# Altium PCB Standby_PS.PcbDoc (part 1 of 2)
Units mm, origin at the board's own origin, x right, y up, seen from the top; angles counter-clockwise.
Board outline 150 x 60 mm, 2 copper layers (Top Layer, Bottom Layer), stack 1.071 mm thick; 184 components, 77 nets, 415 pads, 33 vias.
Unrouted connection lines stored in the file: 216.
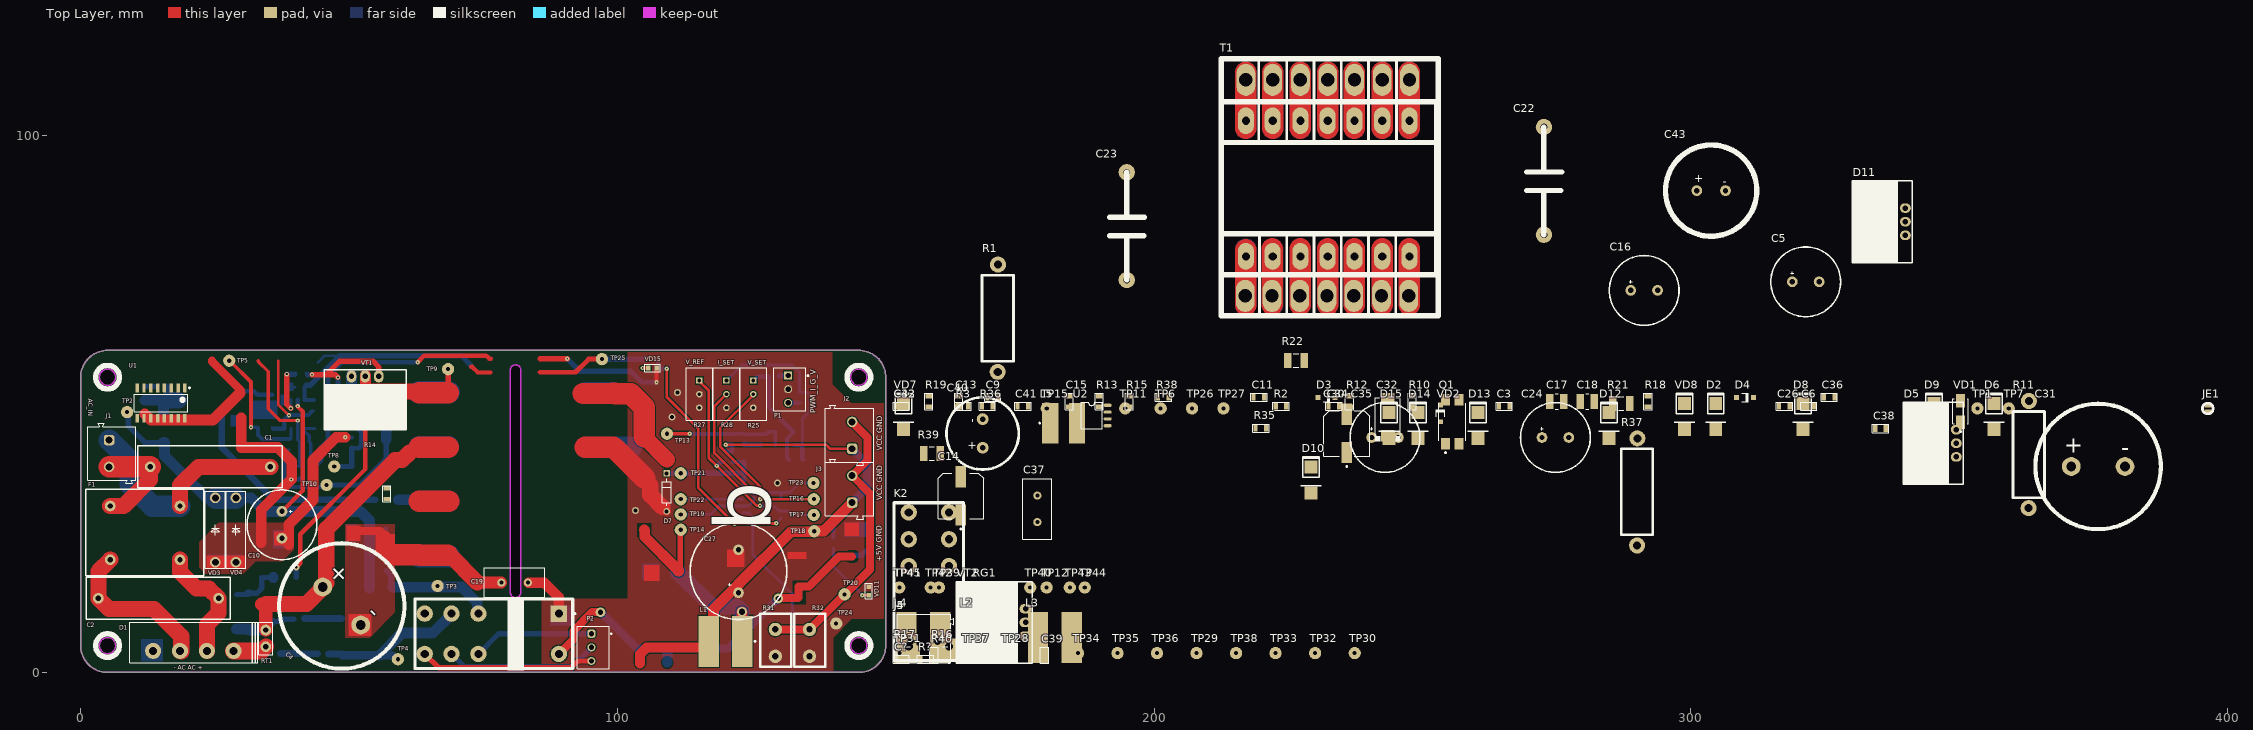
[diagram p0: Top Layer view]
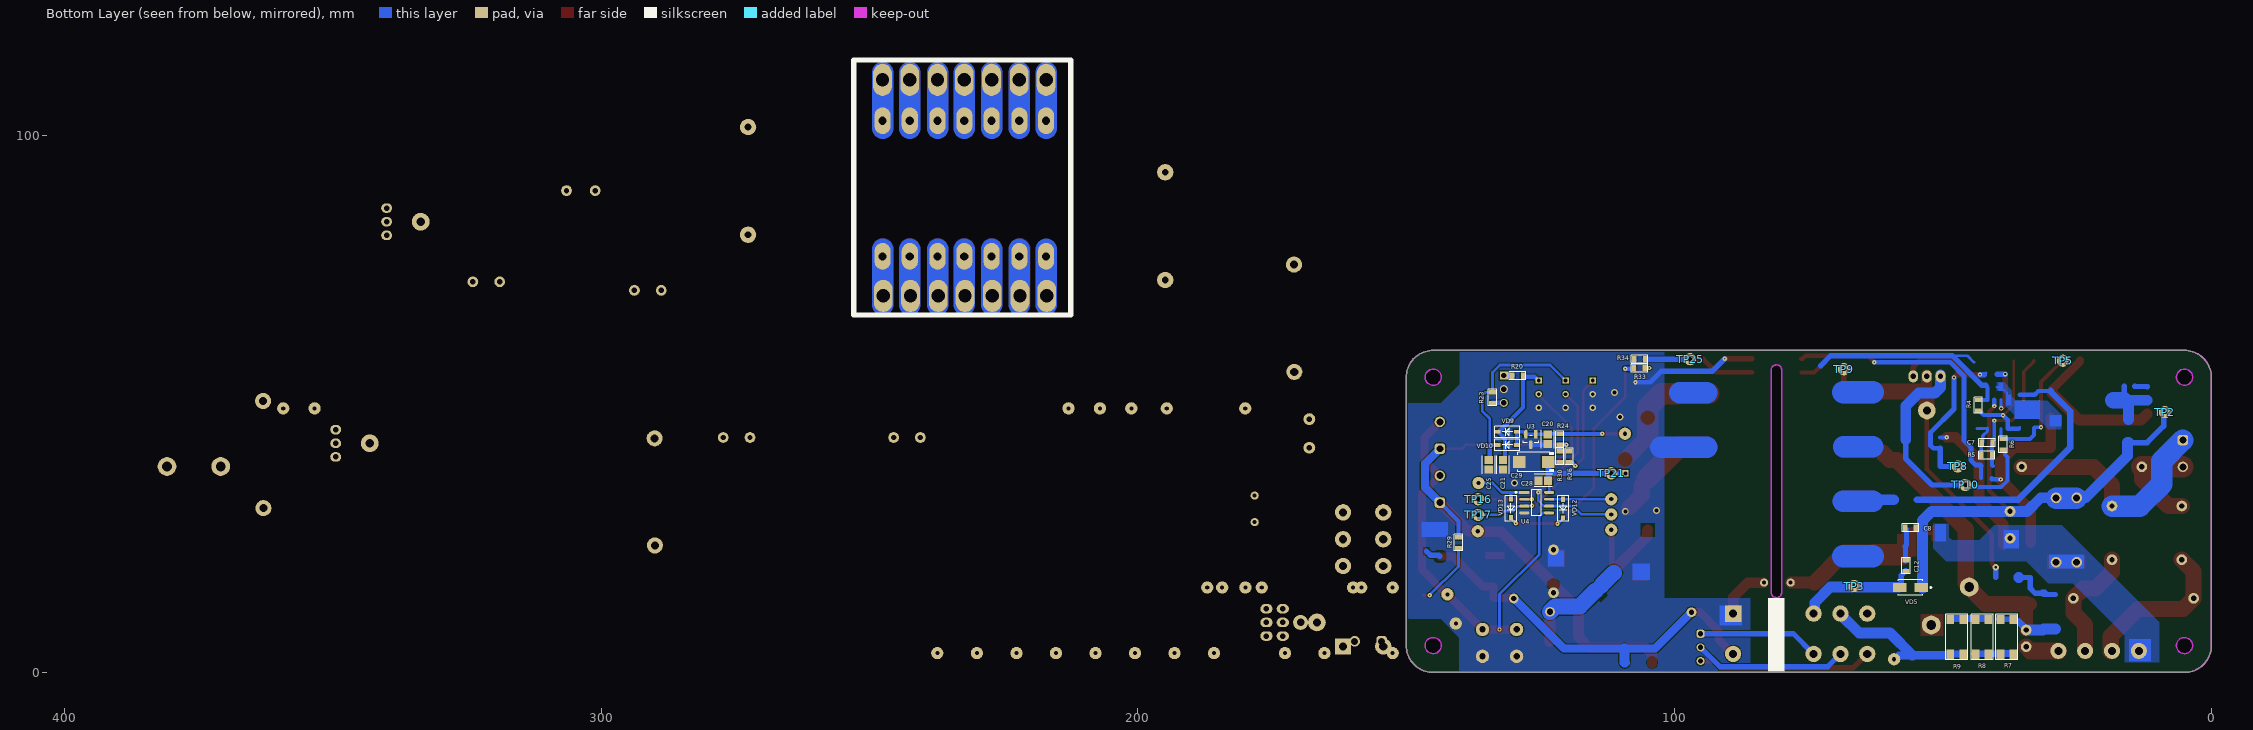
[diagram p1: Bottom Layer view, seen from below]

## Layer stack, top to bottom
Top Solder: solder mask 0.0102, Solder Resist, Dk 3.5
Top Layer: signal copper 0.0356
Dielectric 1: dielectric 1, FR-4, Dk 4.8
Bottom Layer: signal copper 0.0356
Bottom Solder: solder mask 0.0102, Solder Resist, Dk 3.5

## Board outline
0,5 ccw(c5,5) 5,0 145,0 ccw(c145,5) 150,5 150,55 ccw(c145,55) 145,60 5,60 ccw(c5,55) 0,55
cut-out: 143.5,55 ccw(c145,55) 145,53.5 ccw(c145,55) 146.5,55 ccw(c145,55) 145,56.5 ccw(c145,55)
cut-out: 143.5,5 ccw(c145,5) 145,3.5 ccw(c145,5) 146.5,5 ccw(c145,5) 145,6.5 ccw(c145,5)
cut-out: 80.045,14.95 ccw(c81.045,14.95) 82.045,14.95 82.045,17.95 82.045,56.3 ccw(c81.045,56.3) 80.045,56.3 80.045,17.95 80.045,18.036
cut-out: 3.5,55 ccw(c5,55) 5,53.5 ccw(c5,55) 6.5,55 ccw(c5,55) 5,56.5 ccw(c5,55)
cut-out: 3.5,5 ccw(c5,5) 5,3.5 ccw(c5,5) 6.5,5 ccw(c5,5) 5,6.5 ccw(c5,5)

## Design rules (kind name [scope] priority, off if disabled: settings)
Clearance Clearance_1 [All vs InNet('GND_1')] p1: gap=0.2 ignorepadtopadclearanceinfootprint=FALSE
Clearance [All vs InNet('GND')] p2: gap=0.4 ignorepadtopadclearanceinfootprint=FALSE except(0.2: Arc-Hole SMDPad-SMDPad SMDPad-THPad SMDPad-Via SMDPad-Fill SMDPad-Poly SMDPad-Region SMDPad-Text SMDPad-Hole THPad-THPad THPad-Via THPad-Fill THPad-Poly THPad-Region THPad-Text THPad-Hole Text-Text Text-Hole)
ComponentClearance [All] p1: gap=-3 collisioncheckmode=3 verticalgap=0.254 showdistances=FALSE
DiffPairsRouting [All] p1: maxlimit=0.254 minlimit=0.254 mostfreqgap=0.254 substack1={A23D90DD-733B-49C5-8102-56B3D284E3A0} toplayer_{a23d90dd-733b-49c5-8102-56b3d284e3a0}_minwidth=0.381 toplayer_{a23d90dd-733b-49c5-8102-56b3d284e3a0}_maxwidth=0.381 toplayer_{a23d90dd-733b-49c5-8102-56b3d284e3a0}_prefwidth=0.381 bottomlayer_{a23d90dd-733b-49c5-8102-56b3d284e3a0}_minwidth=0.381 bottomlayer_{a23d90dd-733b-49c5-8102-56b3d284e3a0}_maxwidth=0.381 bottomlayer_{a23d90dd-733b-49c5-8102-56b3d284e3a0}_prefwidth=0.381 toplayer_minwidth=0.381 toplayer_maxwidth=0.381 toplayer_prefwidth=0.381 bottomlayer_minwidth=0.381 bottomlayer_maxwidth=0.381 bottomlayer_prefwidth=0.381 substack2={0B3DB408-A969-412D-8C07-BA8AE97219D9} toplayer_{0b3db408-a969-412d-8c07-ba8ae97219d9}_minwidth=0.381 toplayer_{0b3db408-a969-412d-8c07-ba8ae97219d9}_maxwidth=0.381 toplayer_{0b3db408-a969-412d-8c07-ba8ae97219d9}_prefwidth=0.381 bottomlayer_{0b3db408-a969-412d-8c07-ba8ae97219d9}_minwidth=0.381 bottomlayer_{0b3db408-a969-412d-8c07-ba8ae97219d9}_maxwidth=0.381 bottomlayer_{0b3db408-a969-412d-8c07-ba8ae97219d9}_prefwidth=0.381 substack3={378827E6-B38F-4565-9D2F-710D8D441C30} toplayer_{378827e6-b38f-4565-9d2f-710d8d441c30}_minwidth=0.381 toplayer_{378827e6-b38f-4565-9d2f-710d8d441c30}_maxwidth=0.381 toplayer_{378827e6-b38f-4565-9d2f-710d8d441c30}_prefwidth=0.381 bottomlayer_{378827e6-b38f-4565-9d2f-710d8d441c30}_minwidth=0.381 bottomlayer_{378827e6-b38f-4565-9d2f-710d8d441c30}_maxwidth=0.381 bottomlayer_{378827e6-b38f-4565-9d2f-710d8d441c30}_prefwidth=0.381 substack4={1E65D4A7-266F-4925-B814-5E9C4A66F8EE} toplayer_{1e65d4a7-266f-4925-b814-5e9c4a66f8ee}_minwidth=0.381 toplayer_{1e65d4a7-266f-4925-b814-5e9c4a66f8ee}_maxwidth=0.381 toplayer_{1e65d4a7-266f-4925-b814-5e9c4a66f8ee}_prefwidth=0.381 bottomlayer_{1e65d4a7-266f-4925-b814-5e9c4a66f8ee}_minwidth=0.381 bottomlayer_{1e65d4a7-266f-4925-b814-5e9c4a66f8ee}_maxwidth=0.381 bottomlayer_{1e65d4a7-266f-4925-b814-5e9c4a66f8ee}_prefwidth=0.381 substack5={93C5D03E-862D-45F8-9871-970EEA9B3F11} toplayer_{93c5d03e-862d-45f8-9871-970eea9b3f11}_minwidth=0.381 toplayer_{93c5d03e-862d-45f8-9871-970eea9b3f11}_maxwidth=0.381 toplayer_{93c5d03e-862d-45f8-9871-970eea9b3f11}_prefwidth=0.381 bottomlayer_{93c5d03e-862d-45f8-9871-970eea9b3f11}_minwidth=0.381 bottomlayer_{93c5d03e-862d-45f8-9871-970eea9b3f11}_maxwidth=0.381 bottomlayer_{93c5d03e-862d-45f8-9871-970eea9b3f11}_prefwidth=0.381 maxuncoupledlength=12.7
Height [All] p1: minheight=0 maxheight=40 prefheight=12.7
HoleSize [All] p1: absolutevalues=TRUE maxlimit=6 minlimit=0.01 maxpercent=80.000 minpercent=20.000
HoleToHoleClearance [All] p1: gap=0.1 allowstackedmicrovias=TRUE
MinimumSolderMaskSliver [All] p1: minsoldermaskwidth=0.1
PlaneClearance [All] p1: clearance=0.7
PlaneConnect [All] p1: planeconnectstyle=Direct reliefexpansion=0.5 reliefentries=4 reliefconductorwidth=0.5 reliefairgap=0.15
PolygonConnect VQFN20 [HasFootprint('VQFN20')] p1: connectstyle=Direct reliefconductorwidth=0.254 reliefentries=4 polygonreliefangle="90 Angle" airgapwidth=0.254
PolygonConnect [All] p2: connectstyle=Direct reliefconductorwidth=0.3 reliefentries=4 polygonreliefangle="90 Angle" airgapwidth=0.15
RoutingVias [All] p1: holewidth=0.1 width=0.1 viastyle="Through Hole" minholewidth=0 minwidth=0.3 maxholewidth=2 maxwidth=4
ShortCircuit [All] p1: allowed=TRUE
SilkToSolderMaskClearance [IsPad] p1: minsilkscreentomaskgap=0.1 clearancetoexposedcopper=TRUE
SolderMaskExpansion SolderMaskExpansion_Via [IsVia] p1: expansion=0.102 istentingtop=TRUE
SolderMaskExpansion [All] p2: expansion=0.01 istentingtop=FALSE
UnRoutedNet [All] p1: checkbadconnections=TRUE
Width [All] p1: maxlimit=5 minlimit=0.2 preferedwidth=0.3 substack1={A23D90DD-733B-49C5-8102-56B3D284E3A0} substack2={0B3DB408-A969-412D-8C07-BA8AE97219D9} substack3={378827E6-B38F-4565-9D2F-710D8D441C30} substack4={1E65D4A7-266F-4925-B814-5E9C4A66F8EE} substack5={93C5D03E-862D-45F8-9871-970EEA9B3F11}
19 further rules are at their usual default settings.

## Components (designator, comment, footprint, x,y, rotation, side; value= is the part's Value field where it differs from the comment)
C1 "CAP-NON-POLAR" CAP-V15 24.152,38.3 r180 top locked
C2 "CAP-NON-POLAR" CAP-V15 14.5,13.8 r180 top locked
C3 "1uF_50V" CAP-0805 265.264,49.573 r0 top
C4 "CAP-POLAR" "CAP 100uF_500V 22x40mm" 48.65,12.375 r315 top locked
C5 "1000uF_50V" CAPPOL-12x25 321.425,72.775 r0 top
C6 "0.1uF" CAP-0805 321.992,49.573 r0 top
C7 "CAP-NON-POLAR" CAP-0805 41.775,42.774 r0 bottom
C8 "1uF_50V" CAP-0805 56.05,26.925 r0 bottom
C9 "CAP-NON-POLAR" CAP-0805 169.96,51.248 r0 top
C10 "CAP-POLAR" CAPPOL-12x25 37.5,27.5 r270 top locked
C11 "2.2nF 16V" CAP-0805 219.537,51.248 r0 top
C12 "1uF 50V" CAP-0805 56.9,19.875 r90 bottom
C13 "0.1uF" CAP-0805 163.584,50.473 r90 top
C14 "CAP-POLAR" SIZE_EEE 164,32.881 r90 top
C15 "2.2nF 16V" CAP-0805 184.185,50.473 r90 top
C16 "2200uF_25V" CAPPOL-12x25 291.325,71.175 r0 top
C17 "0.22uF" FP-C1210X475K5RACTU-IPC_C 275.065,50.448 r0 top
C18 "0.22uF" FP-C1210X475K5RACTU-IPC_C 280.715,50.448 r0 top
C19 "" CAP-V 80.851,16.725 r0 top
C20 "50V 1uF" FP-C0805C-DN-IPC_A 123.655,43.425 r90 bottom value="0.22 μF"
C21 "50V 1uF" FP-C0805C-DN-IPC_A 131.972,38.675 r270 bottom value="0.22 μF"
C22 "CAP-NON-POLAR" CAP_3.3uF_630V 272.65,91.583 r90 top
C23 "CAP-NON-POLAR" CAP_3.3uF_630V 194.925,83.15 r90 top
C24 "1000uF_50V" CAPPOL-12x25 274.79,43.772 r0 top
C25 "50V 1uF" FP-C0805C-DN-IPC_A 134.647,38.675 r270 bottom value="0.22 μF"
C26 "0.1uF" CAP-0805 317.467,49.573 r0 top
C27 "2200uF_25V" CAPPOL-18x40 122.575,18.85 r90 top
C28 "50V 1uF" FP-C0805C-DN-IPC_A 124.48,35.725 r0 bottom value="0.22 μF"
C29 "CAP-POLAR" CAP-TAN-C 126.255,39.2 r0 bottom locked
C30 "EEE-1HA101UP" FP-SF-MFG 235.913,44.522 r90 top value=100uF
C31 "CAP-POLAR" "CAP 100uF_500V 22x40mm" 375.92,38.372 r0 top
C32 "CAP-POLAR" CAP-TAN-D 243.563,47.548 r90 top
C33 "CAP-NON-POLAR" CAP-0805 152.909,49.573 r0 top
C34 "1uF_50V" CAP-0805 233.513,49.573 r0 top
C35 "1000uF_50V" CAPPOL-12x25 243.038,43.772 r0 top
C36 "1uF 50V" CAP-0805 325.817,51.248 r0 top
C37 "CAP-V" CAP-V 178.25,30.475 r90 top
C38 "1uF 50V" CAP-0805 335.368,45.447 r0 top
C39 "2.2nF 16V" CAP-0805 179.585,3.195 r90 top
C40 "1000uF_50V" CAP_25V_2200uF 168.06,44.522 r90 top
C41 "0.1uF" CAP-0805 175.56,49.573 r0 top
C42 "470pF 16V" CAP-0805 152.909,49.573 r0 top
C43 "1000uF_50V" CAP_50V_2200uF 303.808,89.775 r0 top
C? "0.1uF" CAP-0805 152.909,2.42 r0 top
D1 "RS40X" RS40X 21,5.5 r0 top
D2 "US1G" DO-214AA 304.666,45.622 r90 top
D3 "1N4148W-7-F" DIOD-SOD123-2_V#1 232.138,51.198 r0 top
D4 "1N4148W-7-F" DIOD-SOD123-2_V#1 310.117,51.198 r0 top
D5 "U1620G" TO-220_Bended_Rad#1 346.443,43.197 r90 top
D6 "US1G" DO-214AA 356.494,45.622 r90 top
D7 "5,6V" FP-SB-V-3906_04-031_4-MFG 109.2,33.55 r270 top
D8 "US1G" DO-214AA 320.892,45.622 r90 top
D9 "US1G" DO-214AA 345.318,45.622 r90 top
D10 "US1G" DO-214AA 229.275,33.8 r90 top
D11 "U1620G" TO-220_Bended_Rad#1 336.952,84.483 r90 top
D12 "US1G" DO-214AA 284.765,43.947 r90 top
D13 "US1G" DO-214AA 260.339,43.947 r90 top
D14 "US1G" DO-214AA 249.164,43.947 r90 top
D15 "US1G" DO-214AA 243.813,43.947 r90 top
F1 "FILTER" FILTER_1 12,26 r0 top
J1 "691101710002" 691101710002 5.8,40.8 r270 top locked
J2 "" 691101710002 143.251,44.175 r90 top locked
J3 "691101710002" 691101710002 143.251,34.15 r90 top locked
J4 "691101710002" 691101710002 157.109,6.296 r0 top
J5 "691101710002" 691101710002 157.109,6.296 r0 top
JE1 "Jumper" JE 396.346,49.173 r0 top
K1 "F1CA005V" Relay_F1CA005V_Omron 77,7.2 r180 top
K2 "" Relay_F1CA005V_Omron 158.034,16.921 r90 top
L1 "1.2µH, 7.4A" WE-PD2_1054 120.15,5.775 r180 top
L2 "1.2µH, 7.4A" WE-PD2_1054 169.285,6.546 r0 top
L3 "1.2µH, 7.4A" WE-PD2_1054 181.535,6.546 r0 top
L4 "1.2µH, 7.4A" WE-PD2_1054 157.034,6.546 r0 top
L5 "47µH, 1.17A" WE-PD2_7850 183.16,46.448 r0 top
P1 "61900311121" 61900311121#1 132.125,52.775 r90 top
P2 "61900311121" 61900311121#2 95.475,4.665 r90 top locked
Q1 "PC817XNNIP0F" FP-PC817XNNIP0F-MFG 255.564,46.698 r90 top
R1 "1.1 Ohm" RES-2W 170.9,65.875 r90 top
R2 "10K**" RES-0805 223.662,49.573 r0 top
R3 "2K" RES-0805 164.409,49.573 r0 top
R4 "10K" RES-0805 43.424,49.774 r90 bottom
R5 "10K**" RES-0805 41.85,40.474 r180 bottom
R6 "2K" RES-0805 38.825,42.474 r270 bottom
R7 "3K" RES-2512 38.075,6.6 r90 bottom locked
R8 "3K" RES-2512 42.725,6.6 r270 bottom locked
R9 "3K" RES-2512 47.4,6.6 r90 bottom locked
R10 "2K" RES-0805 248.089,50.473 r90 top
R11 "100 Ohm" RES-2W 362.994,40.472 r90 top
R12 "2K" RES-0805 236.413,50.473 r90 top
R13 "10K" RES-0805 189.786,50.473 r90 top
R14 "1K" RES-0805 57.05,33.3 r90 top locked
R15 "1K" RES-0805 195.386,50.473 r90 top
R16 "10" RES_SMD_1210_IPC_A 161.109,3.57 r0 top
R17 "10" RES_SMD_1210_IPC_A 154.134,3.57 r0 top
R18 "1K" RES-0805 292.041,50.473 r90 top
R19 "1K" RES-0805 158.009,50.473 r90 top
R20 "1k" RES-0805 129.255,55.265 r180 bottom
R21 "RES_1210" RES_SMD_1210_IPC_A 287.065,50.098 r0 top
R22 "RES_1210" RES_SMD_1210_IPC_A 226.45,58.15 r0 top
R23 "1K" RES-0805 133.95,51.2 r90 bottom
R24 "10K" RES-0805 121.419,43.425 r270 bottom
R25 "3296W-1-202LF" Bourns_3296W_MFG 125.335,51.85 r180 top
R26 "10K" RES-0805 119.655,40.2 r90 bottom locked
R27 "3296W-1-202LF" Bourns_3296W_MFG 115.28,51.85 r180 top
R28 "3296W-1-202LF" Bourns_3296W_MFG 120.32,51.85 r180 top locked
R29 "2.7K" RES-0805 140.275,24.175 r90 bottom
R30 "1k" RES-0805 121.419,40.2 r90 bottom
R31 "1.1 Ohm***" RES-2W_2 129.45,8 r90 top locked
R32 "1.1 Ohm***" RES-2W_2 135.8,8 r90 top locked
R33 "1K" RES-0805 106.568,56.677 r0 bottom
R34 "1K" RES-0805 106.534,58.372 r180 bottom
R35 "47K**" RES-0805 219.925,45.5 r0 top
R36 "2K" RES-0805 168.935,49.573 r0 top
R37 "100 Ohm" RES-2W 290.025,33.525 r90 top
R38 "1M" RES-0805 201.736,51.248 r0 top
R39 "RES_1210" RES_SMD_1210_IPC_A 158.6,40.775 r0 top
R40 "1M" RES-0805 159.009,3.195 r90 top
R? "1K" RES-0805 157.434,2.42 r0 top
RG1 "" TO-220_Bended_Rad#2 173.01,9.821 r90 top
RT1 "RES-TEMP" RES-V5 34.5,6.3 r270 top locked
T1 "ETD34" Transformer_ETD34 232.609,90.225 r90 top
TP1 "Test_Point_PCB" Test_Point#1 353.419,49.198 r0 top
TP2 "Test_Point_PCB" Test_Point#1 8.65,48.5 r180 bottom
TP3 "Test_Point_PCB" Test_Point#1 66.506,16.092 r180 bottom
TP4 "Test_Point_PCB" Test_Point#1 59.1,2.45 r90 top
TP5 "" Test_Point#1 27.675,58.075 r180 bottom
TP6 "" Test_Point#2 201.236,49.198 r0 top
TP7 "Test_Point_PCB" Test_Point#1 359.269,49.198 r0 top
TP8 "" Test_Point#1 47.25,38.375 r180 bottom
TP9 "" Test_Point#1 68.458,56.5 r180 bottom
TP10 "" Test_Point#1 45.825,34.925 r90 bottom
TP11 "" Test_Point#2 194.636,49.198 r90 top
TP12 "" Test_Point#2 179.985,15.821 r90 top
TP13 "Test_Point_PCB" Test_Point#1 109.25,44.475 r90 top
TP14 "Test_Point_PCB" Test_Point#1 111.814,26.575 r270 top
TP15 "" Test_Point#2 180.01,49.198 r0 top
TP16 "Test_Point_PCB" Test_Point#1 136.603,32.275 r90 bottom
TP17 "Test_Point_PCB" Test_Point#1 136.603,29.349 r90 bottom
TP18 "Test_Point_PCB" Test_Point#1 136.684,26.306 r90 top
TP19 "Test_Point_PCB" Test_Point#1 111.814,29.448 r90 top
TP20 "Test_Point_PCB" Test_Point#1 142.346,14.546 r90 top
TP21 "Test_Point_PCB" Test_Point#1 111.814,37.1 r90 bottom
TP22 "Test_Point_PCB" Test_Point#1 111.814,32.275 r90 top
TP23 "Test_Point_PCB" Test_Point#1 136.55,35.299 r90 top
TP24 "Test_Point_PCB" Test_Point#1 140.775,9.1 r90 top
TP25 "Test_Point_PCB" Test_Point#1 97.125,58.375 r90 bottom
TP26 "" Test_Point#2 207.087,49.198 r0 top
TP27 "" Test_Point#2 212.937,49.198 r0 top
TP28 "" Test_Point#2 172.61,3.595 r90 top
TP29 "" Test_Point#2 207.912,3.595 r90 top
TP30 "" Test_Point#2 237.388,3.595 r90 top
TP31 "" Test_Point#2 152.534,3.595 r90 top
TP32 "" Test_Point#2 230.013,3.595 r90 top
TP33 "" Test_Point#2 222.637,3.595 r90 top
TP34 "" Test_Point#2 185.835,3.595 r90 top
TP35 "" Test_Point#2 193.186,3.595 r90 top
TP36 "" Test_Point#2 200.561,3.595 r90 top
TP37 "" Test_Point#2 165.259,3.595 r90 top
TP38 "" Test_Point#2 215.287,3.595 r90 top
TP39 "" Test_Point#2 159.909,15.821 r90 top
TP40 "" Test_Point#2 176.935,15.821 r90 top
TP41 "" Test_Point#2 152.534,15.821 r0 top
TP42 "" Test_Point#2 158.384,15.821 r0 top
TP43 "" Test_Point#2 184.31,15.821 r0 top
TP44 "" Test_Point#2 187.086,15.821 r90 top
TP45 "" Test_Point#2 152.534,15.821 r90 top
U1 "TL494" SOIC-16-M 14.973,50.193 r270 top locked
U2 "IR2181" SO8-150 188.361,47.873 r0 top
U3 "" TL431_SOT-23-3(A) 126.805,43.4 r270 bottom
U4 "LM358DR2G" FP-751-07-IPC_C 125.705,31.625 r180 bottom
VD1 "US1G" US1G_SMA 350.294,48.648 r90 top
VD2 "" DIOD-SOD123-2_V#2 253.364,48.273 r90 top
VD3 "ZENER" DO-017AA 25.077,26.525 r270 top
VD4 "ZENER" DO-017AA 28.928,26.525 r270 top
VD5 "US1G" US1G_SMA 56.05,15.825 r0 bottom
VD7 "SMBJ15A" DO-214AA 153.309,45.622 r90 top
VD8 "SMBJ15A" DO-214AA 298.816,45.622 r90 top
VD9 "DIODE" SOD-123 131.18,44.825 r180 bottom
VD10 "DIODE" SOD-123 131.18,42.375 r180 bottom
VD11 "LED" LED-0603 146.849,15.175 r270 top
VD12 "DIODE" SOD-123 120.794,30.525 r90 bottom
VD13 "DIODE" SOD-123 130.5,30.55 r90 bottom
VD15 "LED" LED-0603 106.534,56.727 r180 top
VT1 "" TO-220_Bended_Rad#3 52.492,52.102 r180 top locked
VT2 "" TO-220_Bended_Rad#3 169.96,9.821 r90 top

## Footprints (in the part's own frame and the unit in brackets; to place one, negate y for a bottom-side part, rotate by r counter-clockwise, add the part's x,y. Pads: shape width x height; smd on the part's side, far side on the other; paste and mask are expansions set on the pad)
61900311121#1 [mm] "2.54mm Male Locking Header, 3p"
  rect 1.5x1.5 hole 1: 1(2.54,0.3)
  round 1.5 hole 1: 2(0,0.3) 3(-2.54,0.3)
  silkscreen extent -3.98,-3.52 3.98,2.98, body extent -3.81,-2.9 3.81,2.9, height 11.53
61900311121#2 [mm] "2.54mm Male Locking Header, 3p"
  rrect50% 1.5x1.5 hole 1: 1(2.54,0.3)
  round 1.5 hole 1: 2(0,0.3) 3(-2.54,0.3)
  silkscreen extent -3.98,-3.52 3.98,2.98, body extent -3.81,-2.9 3.81,2.9, height 11.53
691101710002 [mm] "5,00mm - modular - blue - Horizontal entry with pressure clamp - 12,6mm height - 02p"
  rrect50% 1.95x1.95 hole 1.3: 1(-2.5,-0.5)
  round 1.95 hole 1.3: 2(2.5,-0.5)
  silkscreen extent -5.6,-4.5 5.6,4.5, body extent -5.6,-4.5 5.6,4.5, height 12.65
Bourns_3296W_MFG [mm]
  rect 1.2x1.2 hole 0.7 paste-2539.97 mask+0: 1(0.005,-2.54)
  round 1.2 hole 0.7 paste-2539.97 mask+0: 2(0.005,0) 3(0.005,2.54)
  silkscreen extent -2.48,-4.89 2.48,4.89, body extent -2.58,-4.99 2.58,4.99, height 0.25
"CAP 100uF_500V 22x40mm" [mm]
  round 3.5 hole 1.8: 1(-5,0) 2(5,0)
  silkscreen extent -11.68,-11.68 11.68,11.68, body extent -11,-11 11.1,11.1, height 31.53
CAP-0805 [mm]
  rect 0.8x1.25 smd mask+0.015: 1(-1,0) 2(1,0)
  silkscreen extent -1.52,-0.76 1.52,0.76, body extent -1,-0.62 1,0.63, height 0.8
CAP-TAN-C [mm]
  rect 2.3x2.3 smd: 1(-2.7,0) 2(2.7,0)
  silkscreen extent -3.8,-1.9 3,1.9, body extent -2.9,-1.6 2.9,1.6, height 2.6
CAP-TAN-D [mm]
  rect 2.2x2.5 smd: 1(-3.45,0) 2(3.45,0)
  silkscreen extent -4.5,-2.4 3.65,2.4, body extent -3.8,-2.3 3.8,2.3, height 4
CAP-V [mil]
  round 60 hole 30: 1(-97.44,0) 2(97.44,0)
  silkscreen extent -222,-106 221,108, body extent -216,-98 216,98, height 610
CAP-V15 [mm]
  round 2 hole 1: 1(-11.2,0) 2(11.2,0)
  silkscreen extent -13.4,-3.9 13.5,3.9, body extent -13.2,-3.72 13.3,3.7, height 17
CAP_3.3uF_630V [mil]
  round 120 hole 50: 1(-395,0) 2(395,0)
  silkscreen extent -395,-130 395,125, body extent -472,-236 472,236, height 804
CAP_25V_2200uF [mm]
  round 2.2 hole 1: 1(-2.667,0) 2(2.667,0)
  silkscreen extent -6.73,-6.73 6.73,6.73, body extent -6.6,-6.6 6.61,6.61, height 20.17
CAP_50V_2200uF [mm]
  round 2 hole 1: 1(-2.667,0) 2(2.667,0)
  silkscreen extent -8.5,-8.5 8.5,8.5, body extent -8.15,-8.15 8.16,8.16, height 35.67
CAPPOL-12x25 [mm]
  round 2 hole 1: 1(-2.5,0) 2(2.5,0)
  silkscreen extent -6.5,-6.5 6.5,6.5, body extent -6.25,-6.25 6.25,6.25, height 25
CAPPOL-18x40 [mm]
  round 2 hole 1: 1(-4,0) 2(4,0)
  silkscreen extent -9,-9 9,9, body extent -9,-9 9.01,9.01, height 40
DIOD-SOD123-2_V#1 [mm] "SOD123, 2-Leads, Body 2.7x1.55mm, Height 1.45mm"
  rect 0.9x0.95 smd: 1(-1.575,0) 2(1.575,0)
  silkscreen extent -0.64,-0.82 0.64,0.77, body extent -1.35,-0.77 1.35,0.77, height 1.45
DIOD-SOD123-2_V#2 [mm] "SOD123, 2-Leads, Body 2.7x1.55mm, Height 1.45mm"
  rect 0.9x0.95 smd: 1(1.575,0) 2(-1.575,0)
  silkscreen extent -0.64,-0.83 0.64,0.77, body extent -1.88,-0.8 1.88,0.8, height 1.3
DO-017AA [mm]
  round 2 hole 1.3: 1(-6,0) 2(6,0)
  silkscreen extent -7.2,-1.85 7.15,1.83, body extent -6.63,-1.7 6.37,1.7, height 3.4
DO-214AA [mm]
  rect 2.4x2.4 smd: 1(-0.381,0) 2(4.5,0)
  silkscreen extent 1.02,-1.91 6.35,1.91, body extent -0.75,-1.97 4.85,1.97, height 2.65
FILTER_1 [mm]
  round 2 hole 1: 1(-6.5,5) 2(6.5,5) 3(6.5,-5) 4(-6.5,-5)
  silkscreen extent -11.05,-8.03 10.92,8.1, body extent -10.95,-8 10.85,8, height 24.48
FP-751-07-IPC_C [mm]
  rect 1.874x0.543 smd paste+0 mask+0: 1(-2.316,1.905)
  rrect100% 1.874x0.543 smd paste+0 mask+0: 2(-2.316,0.635) 3(-2.316,-0.635) 4(-2.316,-1.905) 5(2.316,-1.905) 6(2.316,-0.635) 7(2.316,0.635) 8(2.316,1.905)
  silkscreen extent -3.98,-2.45 0.88,2.45, body extent -3,-2.45 3,2.45, height 1.75
FP-C0805C-DN-IPC_A [mm]
  rect 1.505x1.556 smd paste+0 mask+0: 1(-0.901,0) 2(0.901,0)
  silkscreen extent -1.65,-1.18 1.65,1.18, body extent -1,-0.63 1,0.63, height 0.88
FP-C1210X475K5RACTU-IPC_C [mm]
  rect 1.403x2.804 smd paste+0 mask+0: 1(-1.3,0) 2(1.3,0)
  silkscreen extent -0.3,-1.45 0.3,1.45, body extent -2.1,-1.55 2.1,1.55, height 0.25
FP-PC817XNNIP0F-MFG [mm]
  rect 2.2x1.7 smd paste+0 mask+0: 1(-4.1,1.27) 2(-4.1,-1.27) 3(4.1,-1.27) 4(4.1,1.27)
  silkscreen extent -5.87,-2.54 3.5,2.54, body extent -5.3,-2.64 5.3,2.64, height 0.25
FP-SB-V-3906_04-031_4-MFG [mm]
  rect 1.25x1.25 hole 0.75 paste-2539.97 mask+0: 1(-3.55,0)
  round 1.25 hole 0.75 paste-2539.97 mask+0: 2(3.55,0)
  silkscreen extent -2.52,-0.85 2.52,0.85, body extent -4.28,-0.95 4.28,0.95, height 0.25
FP-SF-MFG [mm]
  rect 4x2 smd paste+0 mask+0: 1(-3.55,0) 2(3.55,0)
  silkscreen extent -6.27,-4.25 4.25,4.25, body extent -5.8,-4.5 5.8,4.5, height 0.25
JE [mil]
  rect 50x27.56 smd: 1(1,20) 2(1,-21)
  silkscreen extent -39,-39 39,39
LED-0603 [mm]
  rect 0.85x0.9 smd: 1(-0.775,0) 2(0.775,0)
  silkscreen extent -1.43,-0.67 1.45,0.67, body extent -0.83,-0.36 0.82,0.36, height 0.68
Relay_F1CA005V_Omron [mil]
  rect 120x120 hole 60 paste-99999 mask+0: 1(-476.38,-147.64)
  round 120 hole 60 paste-99999 mask+0: 2(114.17,-147.64) 3(311.02,-147.64) 4(507.87,-147.64) 5(507.87,147.64) 6(311.02,147.64) 7(114.17,147.64) 8(-476.38,147.64)
  silkscreen extent -599,-255 580,255, body extent -575,-254 575,254, height 10
RES-2W [mm]
  round 3 hole 1.5: 1(-9.875,0.025) 2(10.1,-0.025)
  silkscreen extent -7.9,-2.93 8.13,2.95, body extent -9.86,-2.79 10.01,2.79, height 5.59
RES-2W_2 [mm]
  round 2.5 hole 1.2: 1(-5,0) 2(0,0)
  silkscreen extent -6.93,-2.95 2.95,2.85, body extent -5.4,-2.6 2.6,2.6, height 21.6
RES-0805 [mm]
  rect 0.8x1.25 smd mask+0.015: 1(-1,0) 2(1,0)
  silkscreen extent -1.52,-0.76 1.52,0.76, body extent -1,-0.62 1,0.63, height 0.6
RES-2512 [mm]
  rect 1.8x1.45 smd: 1(-3.275,-1.225) 1(-3.275,1.225) 2(3.275,-1.225) 2(3.275,1.225)
  silkscreen extent -4.28,-2.05 4.25,2.05, body extent -3.2,-1.6 3.2,1.6, height 0.6
RES-V5 [mm]
  round 2 hole 1: 1(-1.6,0) 2(1.5,0)
  silkscreen extent -3,-1.3 3,1.3, body extent -3,-1.25 3,1.25, height 14
RES_SMD_1210_IPC_A [mm]
  rect 1.405x2.806 smd paste+0 mask+0: 1(-1.551,0) 2(1.551,0)
  silkscreen extent -0.47,-1.25 0.47,1.25, body extent -2.75,-1.9 2.75,1.9, height 0.25
RS40X [mm]
  round 3 hole 1.5: 1(-7.5,-1.5) 2(-2.5,-1.5) 3(2.5,-1.5) 4(7.5,-1.5)
  silkscreen extent -11.9,-3.7 12,3.8, body extent -11.81,-3.55 11.81,3.55, height 19.76
SIZE_EEE [mm]
  rect 4x2 smd paste+0 mask+0: 1(3.55,0) 2(-3.55,0)
  silkscreen extent -6.27,-4.25 4.25,4.25, body extent -5.8,-4.5 5.8,4.5, height 0.25
SO8-150 [mm]
  rect 1.5x0.6 smd: 1(-3,1.9)
  oval 1.5x0.6 smd: 2(-3,0.63) 3(-3,-0.64) 4(-3,-1.91) 5(3,-1.91) 6(3,-0.64) 7(3,0.63) 8(3,1.9)
  silkscreen extent -1.95,-2.45 1.95,2.45, body extent -3,-2.45 3,2.45, height 1.7
SOD-123 [mm]
  rect 1x0.7 smd: 1(-1.75,0) 2(1.75,0)
  silkscreen extent -2.37,-1.08 2.35,1.02, body extent -1.98,-0.85 1.98,0.85, height 1.45
SOIC-16-M [mm]
  rrect15% 1.65x0.65 smd: 1(-2.825,4.445) 2(-2.825,3.175) 3(-2.825,1.905) 4(-2.825,0.635) 5(-2.825,-0.635) 6(-2.825,-1.905) 7(-2.825,-3.175) 8(-2.825,-4.445) 9(2.825,-4.445) 10(2.825,-3.175) 11(2.825,-1.905) 12(2.825,-0.635) 13(2.825,0.635) 14(2.825,1.905) 15(2.825,3.175) 16(2.825,4.445)
  silkscreen extent -2.95,-5 1.6,5.45, body extent -3,-4.95 3,4.95, height 1.59
Test_Point#1 [mil]
  round 90 hole 30 paste-99999 mask+4: 1(0,0)
Test_Point#2 [mil]
  round 90 hole 30 unplated paste-99999 mask+4: 1(0,0)
TL431_SOT-23-3(A) [mm]
  rect 1.659x0.627 smd paste+0 mask+0: 1(-0.977,0.915)
  rrect100% 1.659x0.627 smd paste+0 mask+0: 2(-0.977,-0.915) 3(0.977,0)
  silkscreen extent -0.65,-1.45 0.65,1.45, body extent -1.2,-1.45 1.2,1.45, height 1.1
TO-220_Bended_Rad#1 [mil]
  oval 70x80 hole 40: 1(-120,-120) 2(-20,-120) 3(80,-120)
  round 130 hole 60: 2(-20,130)
  silkscreen extent -320,-170 280,270, body extent -315,-165 275,265, height 997
TO-220_Bended_Rad#2 [mil]
  oval 70x90 hole 40: 1(-120,-120) 2(-20,-120) 3(80,-120)
  round 110 hole 55: 2(-20,130)
  silkscreen extent -320,-170 280,270, body extent -315,-165 275,265, height 997
TO-220_Bended_Rad#3 [mil]
  oval 70x90 hole 40: 1(-120,-120) 2(-20,-120) 3(80,-120)
  round 130 hole 60: 2(-20,130)
  silkscreen extent -320,-170 280,270, body extent -315,-165 275,265, height 997
Transformer_ETD34 [mm]
  oval 6x3.5 hole 2.5: 1(-20.066,15.621) 2(-20.066,10.627) 3(-20.066,5.461) 4(-20.066,0.381) 5(-20.066,-4.613) 6(-20.066,-9.779) 7(-20.066,-14.859) 8(20.193,-14.986) 9(20.193,-9.906) 10(20.193,-4.74) 11(20.193,0.254) 12(20.193,5.334) 13(20.193,10.5) 14(20.193,15.494)
  oval 5x3 hole 1.524: 1(-12.7,15.494) 2(-12.7,10.5) 3(-12.7,5.334) 4(-12.7,0.254) 5(-12.7,-4.74) 6(-12.7,-9.906) 7(-12.7,-14.986) 8(12.573,-14.986) 9(12.573,-9.906) 10(12.573,-4.74) 11(12.573,0.254) 12(12.573,5.334) 13(12.573,10.5) 14(12.573,15.494)
  Top Layer lines w4: -21.844,15.494 -11.447,15.494 ; 11.176,15.494 21.573,15.494 ; -21.717,10.541 -11.32,10.541 ; 11.176,10.5 21.573,10.5 ; -21.717,5.334 -11.32,5.334 ; 11.176,5.334 21.573,5.334 ; -21.717,0.254 -11.32,0.254 ; 11.176,0.254 21.573,0.254 ; -21.717,-4.699 -11.32,-4.699 ; 11.176,-4.74 21.573,-4.74 ; -21.717,-9.906 -11.32,-9.906 ; 11.176,-9.906 21.573,-9.906 ; -21.717,-14.986 -11.32,-14.986 ; 11.176,-14.986 21.573,-14.986
  Bottom Layer lines w4: -21.734,15.494 -11.337,15.494 ; 11.159,15.494 21.556,15.494 ; -21.734,10.5 -11.337,10.5 ; 11.159,10.5 21.556,10.5 ; -21.734,5.334 -11.337,5.334 ; 11.159,5.334 21.556,5.334 ; -21.734,0.254 -11.337,0.254 ; 11.159,0.254 21.556,0.254 ; -21.734,-4.74 -11.337,-4.74 ; 11.159,-4.74 21.556,-4.74 ; -21.734,-9.906 -11.337,-9.906 ; 11.159,-9.906 21.556,-9.906 ; -21.734,-14.986 -11.337,-14.986 ; 11.159,-14.986 21.556,-14.986
  silkscreen extent -23.75,-20.32 24.13,20.07, body extent -20.11,-20 20.11,20, height 34.58
US1G_SMA [mm]
  rect 2.5x1.7 smd paste+0 mask+0: 1(-2,0) 2(2,0)
  silkscreen extent -3.92,-1.46 2.3,1.46, body extent -3.35,-1.56 3.35,1.56, height 0.25
WE-PD2_1054 [mm] "SMD Power Inductor, 2-Leads, body 10x9mm"
  rect 3.75x9.5 smd: 1(-3.125,0) 2(3.125,0)
  silkscreen extent -5.63,-0.12 -5.38,0.12, body extent -5.04,-4.5 5.04,4.5, height 5.43
WE-PD2_7850 [mm] "SMD Power Inductor, 2-Leads, body 7.8x7mm"
  rect 3x7.5 smd: 1(-2.5,0) 2(2.5,0)
  silkscreen extent -4.59,-0.12 -4.34,0.12, body extent -3.81,-3.5 3.81,3.5, height 4.95